# Altium PCB bg_pcb.PcbDoc (part 2 of 2)
Units mil, origin at the board's own origin, x right, y up, seen from the top; angles counter-clockwise.
Board outline 3622.05 x 3405.51 mil, 2 copper layers (Top Layer, Bottom Layer); 204 components, 130 nets, 584 pads, 560 vias.
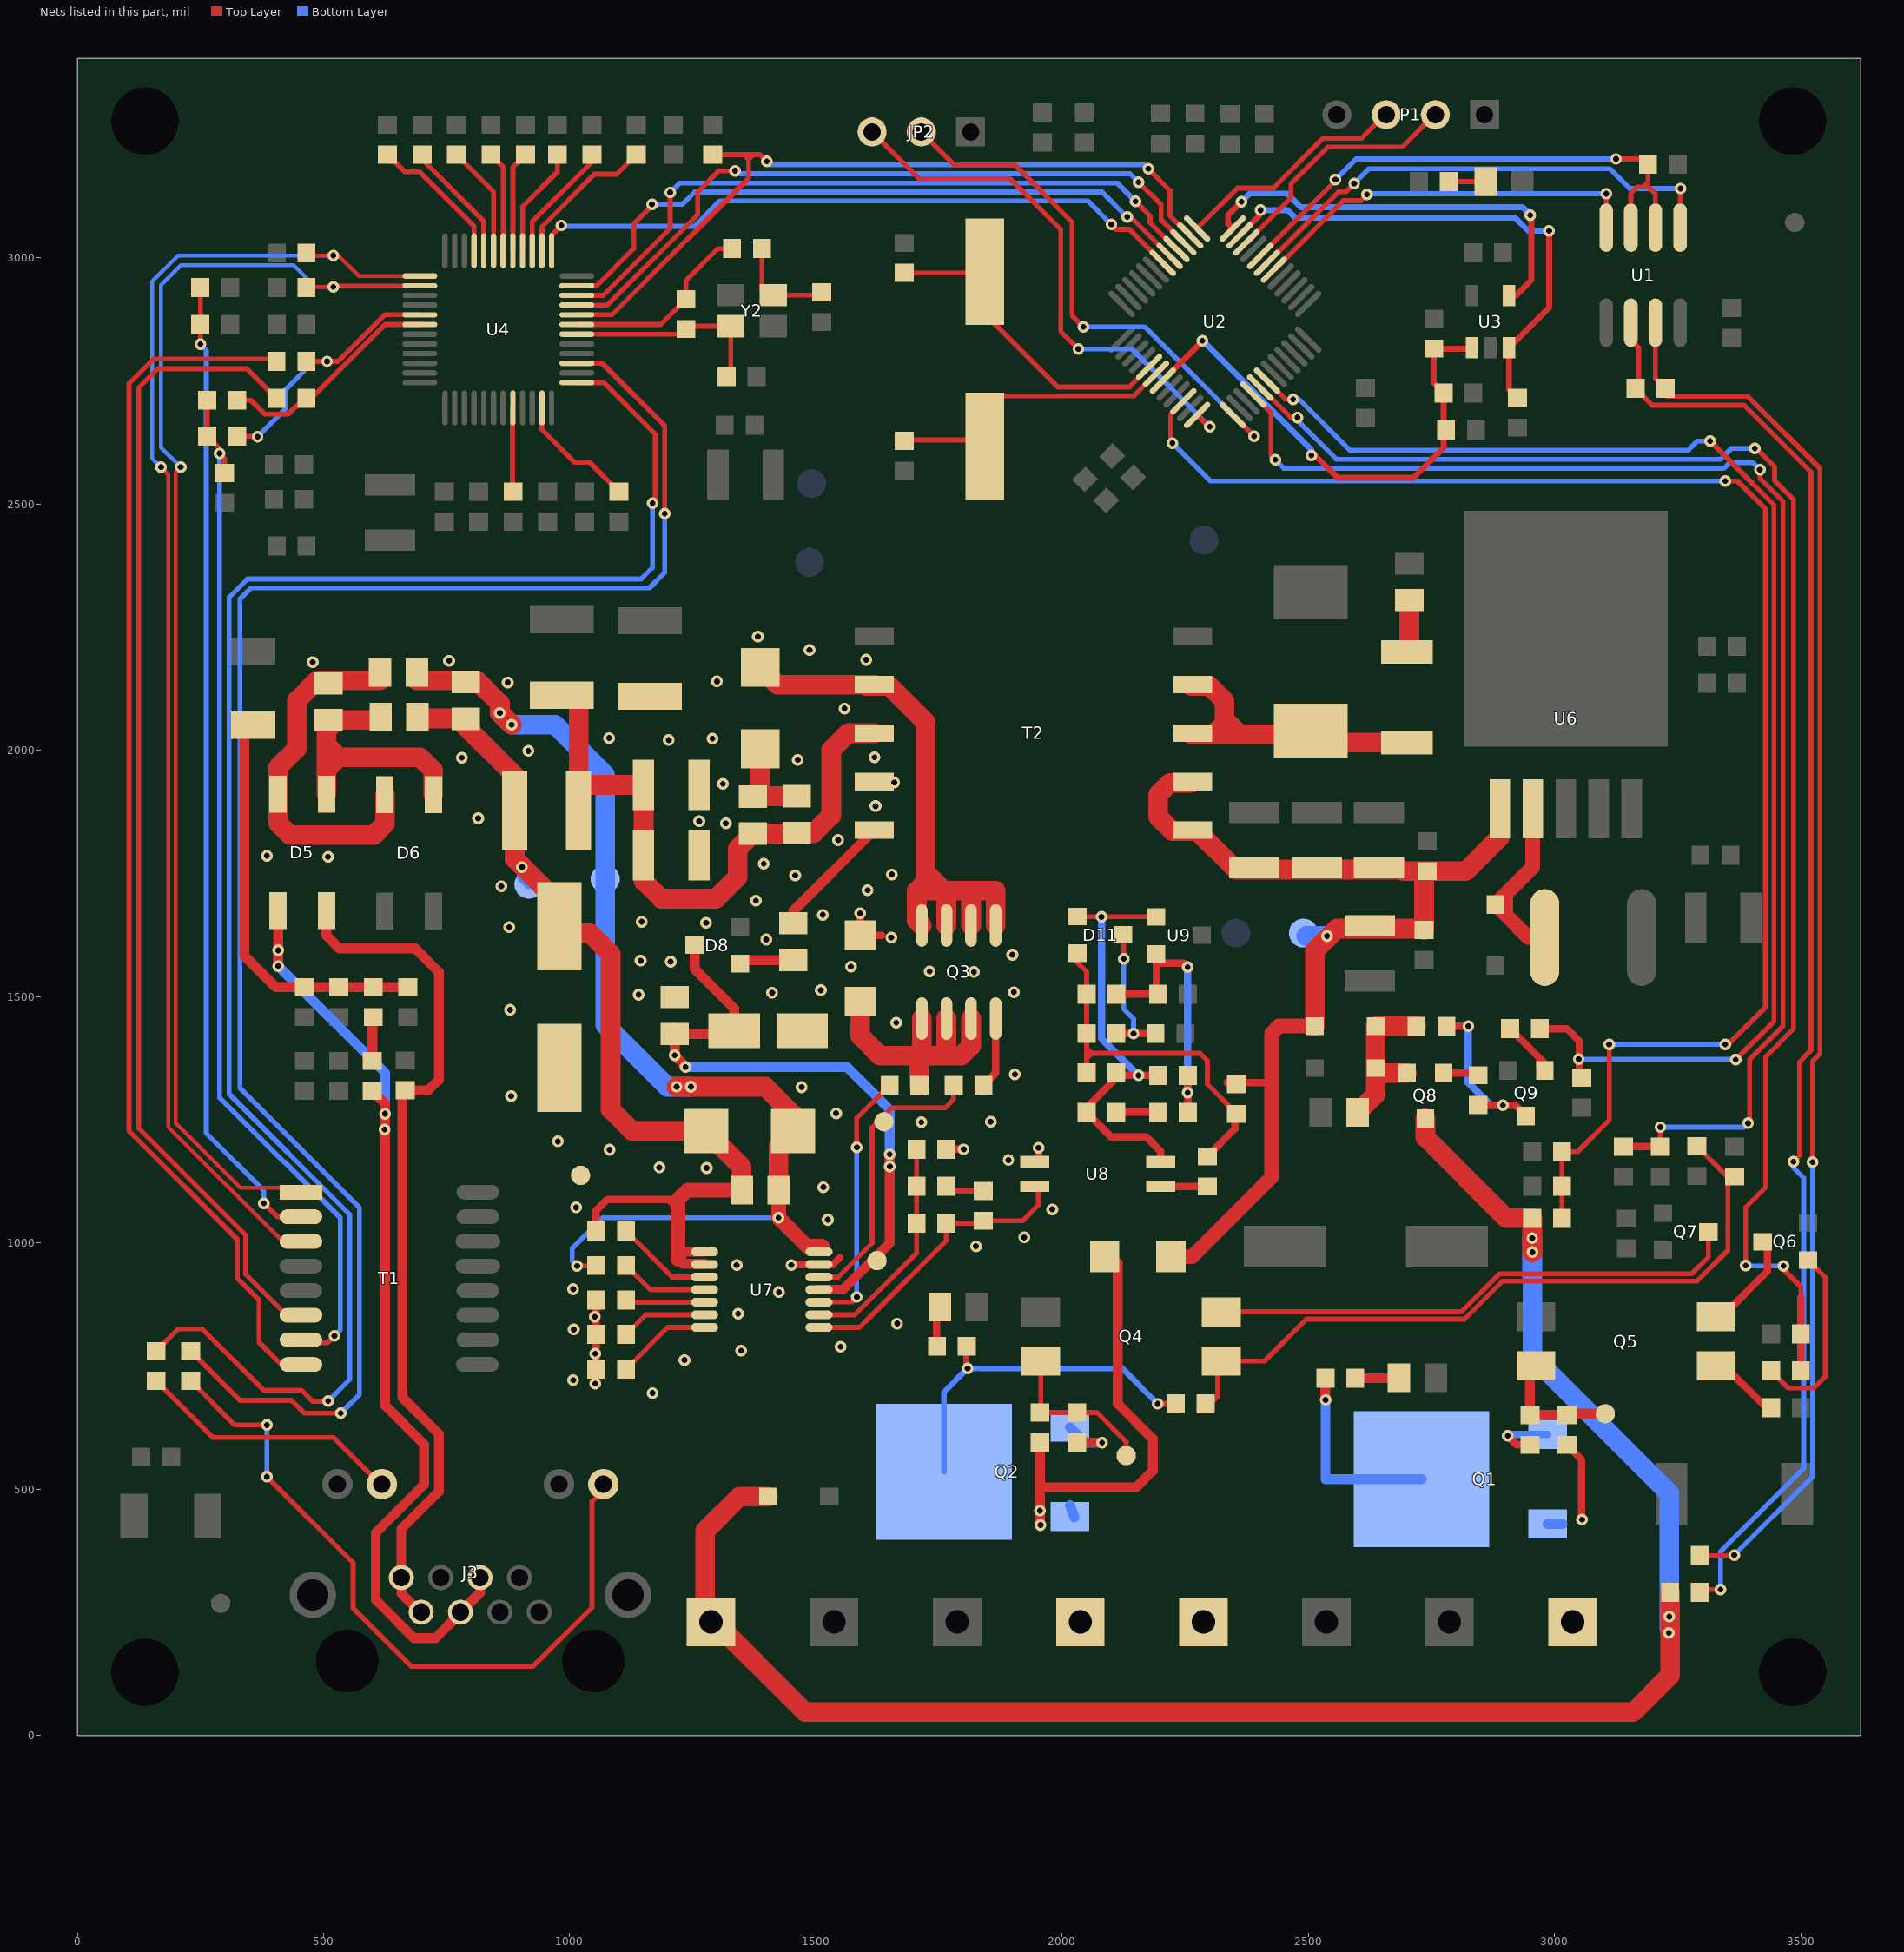
[diagram p2: the nets of this part, all layers, seen from the top]

## Via types
v1: diameter 24, hole 12, Top Layer to Bottom Layer, tented both sides, 340 vias
v2: diameter 23.62, hole 11.81, Top Layer to Bottom Layer, tented both sides, 220 vias

## Nets (pads, with @x,y where several pads share a name; then routed paths per layer and width w, separated by ;. In a path a pad name is that pad's centre, name@x,y a point inside that pad or via, vN(x,y) a via of type N, cw(c..) or ccw(c..) an arc to the next point about the centre after c; other vN are vias at no path point) (continued)
NetC23_2: C23.2 D5.2 J3.7 J3.8 | length 1759.3
  Top Layer w20: D5.2@506,1674.78 506,1624 532,1598 686,1598 734,1550 734,1331 712.68,1309.68 C23.2@666,1309.68 660,1303.68 660,686 734,612 734,495 658,419 658,288 695.92,250.08 J3.7@710,250.08
NetC24_1: C24.1 R33.1 | length 90.2
  Top Layer w20: C24.1@599,1369.31 599,1456.69 R33.1@601,1458.69
NetC24_2: C24.2 D5.4 J3.4 J3.5 | length 2027.7
  Top Layer w20: D5.4@407.57,1674.78 408,1674.35 v1(408,1594) v2(408,1562) ; C24.2@599,1308.68 625,1282.68 v1(625,1262) 625,670 704,591 704,509 606,411 606,275 684,197 727,197 780.08,250.08 J3.5@789.92,250.08 ; J3.5@778.11,250.08 817.87,289.84 J3.4@817.87,308.35 ; J3.4@817,307.47 J3.4@817.87,308.35 ; J3.4@817.87,320.16 J3.4@817.87,308.35 ; J3.4@829.68,320.16 J3.4@817.87,308.35
  Bottom Layer w20: v1(408,1594) v2(408,1562) 625,1345 v1(625,1262) 624,1261 v1(624,1230)
NetC26_1: C26.1 D5.3 D6.3 FB2.1 | length 746.4
  Top Layer w40: FB2.1@615,2142 487,2142 446,2101 446,2004 407.57,1965.57 D5.3@407.57,1911 407.57,1852.43 432,1828 602,1828 624.57,1850.57 D6.3@624.57,1910
NetC26_2: C26.2 D5.1 D6.1 FB1.1 | length 581.1
  Top Layer w40: D5.1@506,1911 506,1961 ; C26.2@506,2041.2 506,2011 ; C26.2@510,2045.2 526.8,2062 FB1.1@606,2062 ; D6.1@723,1910 723,1959 696,1986 531,1986 ; 506,1961 531,1986 ; 506,1961 506,1986 ; 506,1986 506,2011 ; 506,1986 531,1986 ; 506,2011 531,1986
NetC28_1: C28.1 C31.2 C32.2 C33.2 L5.2 R35.2 T2.3 | length 1330.1
  Top Layer w40: C28.1@984,2112 1018.02,2112 L5.2@1018.02,1927.02 ; L5.2@1018.02,1878 L5.2@1018.02,1927.02 ; T2.3@1618.38,2035 1565,2035 1531,2001 1531,1868 1495.2,1832.2 C33.2@1461,1832.2 1460,1831.2 R35.2@1372,1831.2 1341,1800.2 1341,1743 1297,1699 1186,1699 1149.94,1735.06 C32.2@1149.94,1787 C31.2@1149.94,1930 1021,1930 L5.2@1018.02,1927.02
NetC29_2: C29.2 R30.2 R31.2 R32.2 R33.2 | length 834.2
  Top Layer w20: C29.2@357,2051.39 339,2033.39 339,1583 402.68,1519.32 R30.2@461,1519.32 R31.2@531,1519.32 R33.2@601,1519.32 R32.2@671,1519.32
NetC33_1: C33.1 D7.2 R35.1 | length 191.2
  Top Layer w40: R35.1@1372,1906 R35.1@1373,1907 ; D7.2@1386.76,2003.06 1386.76,1920.76 R35.1@1373,1907 ; C33.1@1461,1907 R35.1@1373,1907
NetC38_1: C38.1 C39.2 D8.3 U7.4 VC.1 | length 1348.1
  Top Layer w10: U7.4@1506.14,905 U7.4@1509.87,908.73
  Top Layer w20: C39.2@1212,1437.2 1225.2,1424 1327.1,1424 C38.1@1334.1,1431 1334.1,1475.9 1253.48,1556.52 D8.3@1253.48,1604.4 ; C39.2@1213,1424.2 v2(1213,1381) 1235,1359 v2(1235,1357) ; U7.4@1506.14,905 1555,905 1650,1000 v1(1650,1155) v2(1650,1180)
  Bottom Layer w20: v2(1235,1357) 1563,1357 1650,1270 v2(1650,1180) v1(1650,1155)
NetC40_2: C40.2 C44.2 R51.1 U7.2 | length 460.9
  Top Layer w10: U7.2@1506.14,853.82 1578.82,853.82 1704.37,979.37 R51.1@1704.37,1040 C44.2@1704.37,1115 C40.2@1704.37,1190
NetC41_2: C41.2 R37.1 | length 107.3
  Top Layer w40: R37.1@2700,2200 2705,2205 C41.2@2705,2305.2
NetC44_1: C44.1 R52.1 | length 78.7
  Top Layer w10: C44.1@1765,1115 1774.68,1105.31 R52.1@1839.68,1105.31
NetC45_1: C45.1 C46.1 R50.2 R54.2 U9.2 | length 565.7
  Top Layer w15: R50.2@2110.32,1505 R54.2@2194.68,1505 2191,1508.68 2191,1568 ; U9.2@2191,1587.2 2191,1568 ; v2(2255,1305) v2@2255.31,1305 ; v2(2255,1560) 2247,1568 2191,1568 ; C46.1@2255.31,1265 v2@2255.31,1305 ; C45.1@2255.31,1340 v2@2255.31,1305
  Bottom Layer w15: v2(2255,1305) v2(2255,1560)
NetC45_2: C45.2 D11.1 R49.2 R53.1 U8.2 U9.1 | length 909.1
  Top Layer w10: D11.1@2031,1663 2032,1662 U9.1@2191,1662
  Top Layer w15: C45.2@2194.68,1340 v2(2155,1340) 2115.32,1340 R49.2@2110.32,1345 2110.32,1335.32 2049.69,1274.69 R53.1@2049.69,1265 2099.69,1215 2171,1215 2200,1186 U8.2@2200,1165
  Bottom Layer w15: v1(2080,1662) 2080,1415 v2(2155,1340)
NetC46_2: C46.2 R53.2 | length 84.4
  Top Layer w15: R53.2@2110.32,1265 C46.2@2194.68,1265
NetC48_1: C48.1 R65.1 T1.2 | length 1999.7
  Top Layer w10: R65.1@249.69,2940 C48.1@249.69,2865 249.69,2825.31 v2(250,2825) ; v2(379,1080) 406,1053 T1.2@454,1053
  Bottom Layer w10: v2(250,2825) 262,2813 262,1222.64 379,1105.64 v2(379,1080)
NetC49_2: C49.2 D11.3 R48.2 | length 289
  Top Layer w10: D11.3@2123.52,1625.6 2125,1624.12 v2(2125,1576.61) v2@2125.12,1576.73
  Top Layer w15: R48.2@2110.32,1425 v2(2145,1425) C49.2@2189.68,1425
  Bottom Layer w10: v2(2125,1576.61) 2125,1475 2145,1455 v2(2145,1425)
NetC50_1: C50.1 R70.2 U4.6 | length 458.4
  Top Layer w10: R70.2@324.32,2711 352.39,2711 380.68,2682.71 428.06,2682.71 460.35,2715 C50.1@465,2715 475,2715 624.84,2864.84 U4.6@695.55,2864.84
NetC51_1: C51.1 R71.2 U4.5 | length 539
  Top Layer w10: R71.2@324.32,2638 365,2638 v2(366,2637) ; C51.1@465,2790 v2(507,2790) 529.54,2790 624.07,2884.53 U4.5@695.55,2884.53
  Bottom Layer w10: v2(366,2637) 422,2693 422,2732 480,2790 v2(507,2790)
NetC54_1: C54.1 R69.1 Y2.3 | length 212.6
  Top Layer w10: R69.1@1390.31,3019 1390.31,2934.69 1400.5,2924.5 Y2.3@1413.31,2924.5 1506.18,2924.5 C54.1@1512,2930.31
NetC55_1: C55.1 R68.1 U4.30 Y2.1 | length 423.5
  Top Layer w10: U4.30@1014.45,2845.16 1225.47,2845.16 R68.1@1236,2855.69 1241.82,2861.5 Y2.1@1326.69,2861.5 1326.69,2773 C55.1@1310.69,2773
NetC56_1: C56.1 R70.1 R71.1 T1.7 | length 2138
  Top Layer w10: R70.1@263.69,2711 R71.1@263.69,2638 289,2612.69 v2(289,2603) 299,2593 C56.1@299,2563.31 ; T1.7@454,803 460,797 508,797 v2(522,811)
  Bottom Layer w10: v2(289,2603) 289,1294.54 418.73,1164.81 420.28,1164.81 534,1051.09 534,823 v2(522,811)
NetC60_1: C60.1 R77.1 R78.2 U2.10 | length 3127.9
  Top Layer w10: v2(2224,2624) 2220.38,2627.62 2220.38,2681.96 2246.25,2707.82 U2.10@2246.25,2708.92 ; R77.1@3015.31,1050 R78.2@3015.32,1115 C60.1@3015.31,1185 3047,1185 3111,1249 v2(3111,1403) ; v2(3347,1403) 3352.8,1403 3427.8,1478 3427.8,2490.74 3371.54,2547 v2(3347,2547)
  Bottom Layer w10: v2(2224,2624) 2301,2547 v2(3347,2547) ; v2(3111,1403) v2(3347,1403)
NetD1_1: D1.1 R9.2 | length 79.7
  Top Layer w20: R9.2@2595.32,725 D1.1@2675,725
NetD2_1: D2.1 R10.2 | length 70.1
  Top Layer w15: R10.2@1744.68,790 1745,790.32 D2.1@1745,860
NetD3_1: D3.1 R62.1 | length 74.7
  Top Layer w10: R62.1@2785.31,3155 D3.1@2860,3155
NetD4_2: D4.2 L1.1 U6.2 | length 402.1
  Top Layer w20: L1.1@2965,1620 L1.1@2980,1620
  Top Layer w30: U6.2@2955.98,1881.57 2955.98,1762.99 2901,1708 ; L1.1@2965,1620 2947.01,1620 2901,1666.01 ; D4.2@2896.5,1670.5 2901,1666.01 ; D4.2@2896.5,1670.5 2901,1675 ; D4.2@2896.5,1670.5 D4.2@2880,1687.01 2901,1708 ; 2901,1666.01 2901,1675 ; 2901,1675 2901,1708
NetD7_1: D7.1 Q3.5 Q3.6 Q3.7 Q3.8 T2.4 | length 1249.7
  Top Layer w40: D7.1@1386.76,2168.42 1421.76,2133.43 T2.4@1618.38,2133.43 ; T2.4@1602.24,2131.06 1648.94,2131.06 1723,2057 1723,1752 ; Q3.8@1715,1644.49 1705,1654.49 1705,1715 ; Q3.7@1765,1644.49 1765,1710 1760,1715 ; Q3.6@1815,1644.49 1815,1710 1810,1715 ; Q3.5@1865,1644.49 1865,1715 1810,1715 ; 1705,1715 1723,1733 1723,1752 ; 1705,1715 1760,1715 ; 1723,1752 1760,1715 ; 1760,1715 1810,1715
NetD8_1: D8.1 R36.2 | length 111
  Top Layer w20: D8.1@1346,1567 1353.2,1574.2 R36.2@1454,1574.2
NetD9_2: D9.2 R37.2 T2.7 T2.8 | length 648.6
  Top Layer w40: T2.8@2261.69,2032.64 2307.64,2032.64 ; T2.7@2261.69,2131.06 2298.94,2131.06 2330,2100 2330,2055 ; R37.2@2700,2015.75 2529.39,2015.75 D9.2@2504.96,2040.18 2497.42,2032.64 2360,2032.64 ; 2307.64,2032.64 2330,2055 ; 2307.64,2032.64 2360,2032.64 ; 2330,2055 2337.64,2055 2360,2032.64
NetD11_2: D11.2 R41.2 R47.1 R48.1 R49.1 R50.1 | length 773.3
  Top Layer w10: D11.2@2031,1588.2 2030,1587.2 2030,1570.2 2049.69,1550.51 R50.1@2049.69,1505 R48.1@2049.69,1425 2049.69,1395 ; R49.1@2049.69,1345 2049.69,1374.69 ; R41.2@2350.8,1266.2 2295,1322 2295,1370 2280,1385 2060,1385 ; 2049.69,1374.69 2060,1385 ; 2049.69,1374.69 2049.69,1385 ; 2049.69,1385 2049.69,1395 ; 2049.69,1385 2060,1385 ; 2049.69,1395 2050,1395 2060,1385
  Top Layer w15: R47.1@2295,1175.31 2350.8,1231.12 R41.2@2350.8,1266.2
NetD12_2: D12.2 D13.2 Q8.2 R18.1 R19.2 | length 340.3
  Top Layer w40: R18.1@2600,1265 2637.01,1302.01 D13.2@2637.01,1355 ; Q8.2@2700.2,1345 2647.01,1345 D13.2@2637.01,1355 ; R19.2@2719.68,1440 D12.2@2637.01,1440 D13.2@2637.01,1355
NetD14_2: D14.2 J5.1 Q2.1 Q8.3 R5.1 R10.1 R14.1 R77.2 | length 4594.5
  Top Layer w12: R10.1@1805.31,790 1805.31,747.69 v2(1808,745) ; v2(2194,673) R5.1@2230.69,673
  Top Layer w40: D14.2@1402.99,485 1345,485 1275,415 1275,250 1478,47 3160,47 3234.69,121.69 R14.1@3234.69,290 ; Q8.3@2737.6,1252.48 2737.6,1214.4 2902,1050 R77.2@2954.68,1050 v2(2954.68,1009.32) 2954.68,981.32 v1(2955,981)
  Bottom Layer w12: Q2.1@1760,535 1760,697 v2(1808,745) 2122,745 v2(2194,673)
  Bottom Layer w40: v2(2954.68,1009.32) 2954.68,925.32 2955,925 2955,769.53 3233,491.53 v1(3233,241) v2@3233,216
  other v2: 3232,208
NetGATE_1: GATE.1 R42.2 U7.5 | length 589
  Top Layer w10: U7.5@1506.14,930.59 1545.39,930.59 1614,999.2 1614,1234 1654,1274 1762,1274 1779.68,1291.68 R42.2@1779.68,1320
NetJ3_9: J3.9 R29.1 | length 1484.9
  Top Layer w10: R29.1@230,719.69 319.69,630 v2(385,630) ; v2(385,525) 560,350 560,258 678,140 925.46,140 1045,259.54 1045,474.84 J3.9@1080.08,509.92
  Bottom Layer w10: v2(385,525) v2(385,630)
NetJ3_11: J3.11 R28.1 | length 557
  Top Layer w10: R28.1@160,719.69 274.69,605 520,605 615.08,509.92 J3.11@630.08,509.92
NetJ4_1: J4.1 Q1.1 R9.1 | length 400.1
  Top Layer w20: R9.1@2534.69,725 2534.69,681.31 v2(2535,681)
  Bottom Layer w20: v2(2535,681) 2535,520 Q1.1@2730,520
NetPWM1_1: PWM1.1 Q4.4 R2.1 R4.1 | length 334
  Top Layer w10: Q4.4@1956.93,760 1956.93,657.24 R2.1@1955,655.31 R4.1@2030,655.31 2070.69,655.31 2130,596 PWM1.1@2130,568
  Top Layer w12: R4.1@2030,655.31 R4.1@2030.69,656
NetPWM2_1: PWM2.1 Q5.4 R1.1 R3.1 | length 258.7
  Top Layer w20: Q5.4@2961.93,750 2950,738.07 R3.1@2950,650.31 R1.1@3025,650.31 3027.69,653 PWM2.1@3103,653
NetQ1_2: Q1.2 R3.2 | length 134.5
  Top Layer w15: v2(2905,608) 2923.32,589.68 R3.2@2950,589.68
  Bottom Layer w15: v2(2905,608) 2907.55,610.55 Q1.2@2985.91,610.55
NetQ2_2: Q2.2 R4.2 | length 129.4
  Top Layer w20: R4.2@2030,594.68 2080.32,594.68 v2(2081,594)
  Bottom Layer w20: Q2.2@2015.91,625.55 2047.46,594 v2(2081,594)
NetQ3_1: Q3.1 Q3.2 Q3.3 R44.1 R46.1 | length 588.3
  Top Layer w40: R46.1@1590,1490 1590,1420 1630,1380 1715,1380 ; R44.1@1710.31,1320 1710.31,1375.31 1715,1380 ; Q3.1@1715,1455.51 1715,1380 ; Q3.2@1765,1455.51 1765,1380 ; Q3.3@1815,1455.51 1815,1400 1795,1380 1765,1380 ; 1715,1380 1765,1380
NetQ3_4: Q3.4 R42.1 | length 145.7
  Top Layer w15: R42.1@1840.31,1320 1865,1344.69 Q3.4@1865,1455.51
NetQ4_1: Q4.1 R5.2 R6.1 R8.1 | length 1510.4
  Top Layer w10: R5.2@2291.32,673 2301,673 2316.07,688.07 2316.07,753 Q4.1@2323.07,760 2411,760 2496,845 2817,845 2894,922 3289,922 3352,985 3352,1121.69 3365,1134.69 3350.63,1134.69 3342.66,1142.66 ; R8.1@3289,1196.31 3342.66,1142.66 ; R6.1@3366,1136.69 3360.03,1142.66 3342.66,1142.66
NetQ4_2: Q4.2 Q7.3 | length 1086.8
  Top Layer w10: Q4.2@2323.07,860 2811,860 2888,937 3278.1,937 3312.52,971.42 Q7.3@3312.52,1022.6
NetQ5_1: Q5.1 R7.1 | length 146.8
  Top Layer w10: Q5.1@3328.07,750 Q5.1@3345,750 ; R7.1@3430,665 R7.1@3439.69,665
  Top Layer w15: Q5.1@3345,750 R7.1@3430,665
NetQ5_2: Q5.2 Q6.3 | length 206.4
  Top Layer w15: Q5.2@3328.07,850 3340,850 3432,942 3432,992.88 Q6.3@3422.48,1002.4
NetQ6_1: Q6.1 R12.2 | length 385.6
  Top Layer w10: R12.2@3439.68,740 3474.68,705 3526.54,705 3550,728.46 3550,930 Q6.1@3515,965
NetQ8_1: Q8.1 R74.2 | length 71.9
  Top Layer w15: Q8.1@2775,1345 2840.32,1345 R74.2@2845,1340.32
NetQ9_1: Q9.1 R76.2 | length 142.5
  Top Layer w15: R76.2@2909.68,1435 2970.34,1374.34 ; 2970.34,1374.34 2980,1364.68 Q9.1@2980,1350 2970.34,1359.66 2970.34,1374.34
NetQ9_3: Q9.3 R19.1 R74.1 | length 355.3
  Top Layer w15: R19.1@2780.31,1440 v2(2825,1440) ; R74.1@2845,1279.69 v2(2895,1279.69) 2920.39,1279.69 Q9.3@2942.6,1257.48
  Bottom Layer w15: v2(2825,1440) 2825,1325 2870.31,1279.69 v2(2895,1279.69)
NetR12_1: R12.1 R15.2 U2.17 | length 3116
  Top Layer w10: U2.17@2402.15,2736.76 2403.25,2736.76 2464.01,2676 v2(2478,2676) ; v2(3388,954) 3388,1072 3429,1113 3429,1378 3485,1434 3485,2509.91 3447,2547.91 3447,2576 3410,2613 v2(3407,2613) ; v2(3465,953) 3465,946 3500.31,910.69 3500.31,890
  Top Layer w15: R12.1@3500.31,740 R15.2@3500.32,815 3500.31,890
  Bottom Layer w10: v2(2478,2676) 2478,2670 2556.81,2591.19 3337.39,2591.19 3359.2,2613 v2(3407,2613) ; v2(3388,954) 3389,953 v2(3465,953)
NetR13_1: R13.1 R16.2 U2.16 | length 2830.8
  Top Layer w10: U2.16@2388.23,2722.84 2388.23,2721.74 2424,2685.97 2424,2599 v2(2433,2590) ; R13.1@3215,1195.31 v2(3215,1235) ; v2(3393,1243) 3396,1246 3396,1372.2 3463.8,1440 3463.8,2505.65 3417.54,2551.91 3417.54,2570 v2(3417,2570)
  Top Layer w15: R16.2@3140,1195.32 R13.1@3215,1195.31
  Bottom Layer w10: v2(2433,2590) 2450,2573 3342,2573 3342.19,2573.19 3344.84,2573.19 3355.65,2584 3403,2584 v2@3414,2573 ; v2(3215,1235) 3385,1235 v2(3393,1243) ; v2@3414,2573 v2(3417,2570) 3417,2573 v2@3414,2573
NetR14_2: R14.2 R20.1 U1.6 | length 2976.3
  Top Layer w10: U1.6@3155,2868.54 3155,2834 3171,2818 3171,2741.31 R20.1@3164.69,2735 3198.69,2701 3385,2701 3521,2565 3521,1391.54 3506,1376.54 3506,1375.46 3498,1367.46 3498,1178 v2(3485,1165) ; R14.2@3295.32,290 3301.32,296 v2(3337,296)
  Bottom Layer w10: v2(3337,296) 3337,373.09 3506,542.09 3506,1132 3485,1153 v2(3485,1165)
NetR17_2: R17.2 R20.2 U1.7 | length 2879
  Top Layer w10: U1.7@3205,2868.54 3205,2755.32 R20.2@3225.32,2735 3225.32,2722.41 3228.72,2719 3392.46,2719 3539,2572.46 3539,1384.09 3524,1369.09 v2(3524,1164) ; R17.2@3295.32,365 3364,365 v2(3365,366)
  Bottom Layer w10: v2(3365,366) 3524,525 v2(3524,1164)
NetR28_2: R28.2 U4.25 | length 3549.7
  Top Layer w10: R28.2@160,780.32 204.68,825 254,825 378,701 455,701 478,678 508.72,678 v2(509.53,678.81) ; U4.25@1014.45,2746.73 1069.27,2746.73 1174,2642 1174,2504 1172,2502 v2(1168,2502)
  Bottom Layer w10: v2(509.53,678.81) 553,722.28 553,1057.54 308.19,1302.35 308.19,2311 308.54,2311 345.54,2348 1145,2348 1168,2371 v2(1168,2502) v2@1164.19,2498.19
NetR29_2: R29.2 U4.27 | length 3546.5
  Top Layer w10: R29.2@230,780.32 330.32,680 435,680 461,654 v2(535,654) ; U4.27@1014.45,2786.1 1065.9,2786.1 1193,2659 v2(1193,2481)
  Bottom Layer w10: v2(535,654) 573,692 573,1071.33 330.19,1314.14 330.19,2307.19 353,2330 1162,2330 1193,2361 v2(1193,2481) v2@1189.19,2477.19
NetR34_1: R34.1 U7.10 | length 197.9
  Top Layer w10: R34.1@1114.57,1023.9 1207.87,930.59 U7.10@1273.86,930.59
NetR36_1: R36.1 T2.1 | length 257.2
  Top Layer w20: R36.1@1454,1649 1454,1673.77 T2.1@1618.38,1838.15
NetR38_1: R38.1 U7.14 | length 194.2
  Top Layer w10: R38.1@1114.57,743.9 1198.9,828.23 U7.14@1273.86,828.23
NetR39_2: R39.2 U7.13 | length 175.8
  Top Layer w10: R39.2@1114.57,813.9 1154.49,853.82 U7.13@1273.86,853.82
NetR40_1: R40.1 U4.43 | length 226.4
  Top Layer w10: R40.1@770,3209.69 845.16,3134.53 U4.43@845.16,3014.45
NetR43_2: R43.2 U7.12 | length 161.2
  Top Layer w10: R43.2@1114.57,883.9 1119.06,879.41 U7.12@1273.86,879.41
NetR44_2: R44.2 U7.3 | length 538.9
  Top Layer w10: U7.3@1506.14,879.41 1506.73,880 1573,880 v2(1583,890) ; v2(1583,1194) 1583,1253.32 1598.84,1269.16 R44.2@1649.68,1320
  Bottom Layer w10: v2(1583,890) v2(1583,1194)
NetR45_2: R45.2 U7.11 | length 179.5
  Top Layer w10: R45.2@1114.57,953.9 1163.46,905 U7.11@1273.86,905
NetR47_2: R47.2 U8.1 | length 95.1
  Top Layer w15: U8.1@2200,1115 2200.32,1114.68 R47.2@2295,1114.68
NetR51_2: R51.2 R52.2 U7.1 U8.4 | length 607.4
  Top Layer w10: U7.1@1506.14,828.23 1588.23,828.23 1610,850 1765,1005 R51.2@1765,1040 1835,1040 R52.2@1839.68,1044.68 1919.68,1044.68 1951.97,1076.97 U8.4@1951.97,1115
NetR55_1: R55.1 U4.44 | length 247.2
  Top Layer w10: R55.1@700,3209.69 700,3200 825.47,3074.53 U4.44@825.47,3014.45
NetR56_1: R56.1 U4.45 | length 285.8
  Top Layer w10: R56.1@630,3209.69 664.69,3175 695,3175 805.79,3064.21 U4.45@805.79,3014.45
NetR57_1: R57.1 U4.38 | length 301.1
  Top Layer w10: U4.38@943.58,3014.45 943.58,3063.58 1050,3170 1095.31,3170 R57.1@1135,3209.69
NetR58_1: R58.1 U4.39 | length 245.4
  Top Layer w10: U4.39@923.9,3014.45 923.9,3073.9 1045,3195 R58.1@1045,3209.69
NetR59_1: R59.1 U4.40 | length 224.6
  Top Layer w10: U4.40@904.21,3014.45 904.21,3104.21 975,3175 R59.1@975,3209.69
NetR60_1: R60.1 U4.41 | length 205.8
  Top Layer w10: U4.41@884.53,3014.45 884.53,3184.21 R60.1@910,3209.69
NetR61_1: R61.1 U4.42 | length 205.5
  Top Layer w10: R61.1@840,3209.69 864.84,3184.84 U4.42@864.84,3014.45
NetR68_2: R68.2 R69.2 U4.31 | length 401.2
  Top Layer w10: U4.31@1014.45,2864.84 1184.53,2864.84 R68.2@1236,2916.32 1236,2954 1301,3019 R69.2@1329.68,3019
NetR73_2: R73.2 U4.23 | length 252.8
  Top Layer w10: U4.23@943.58,2695.55 943.58,2651.42 1010,2585 1040.32,2585 R73.2@1100,2525.32
NetR75_1: R75.1 U1.2 U1.3 U2.32 | length 1133.7
  Top Layer w10: U2.32@2402.15,3004.02 2555,3156.87 v2(2555,3159) ; v2(3125,3201) 3178.69,3201 R75.1@3189.69,3190 ; U1.3@3155,3061.46 3155,3131 3168.31,3144.31 3180,3144.31 ; 3189.69,3144.31 3180,3144.31 ; R75.1@3190,3190.31 R75.1@3189.69,3190 ; U1.2@3205,3061.46 3205,3130 3189.69,3145.31 3189.69,3154 ; 3180,3144.31 3189.69,3154 ; 3189.69,3154 R75.1@3189.69,3190